# Altium PCB UltraZohm_Digital_Sensor_Board_v1.01.PcbDoc (part 3 of 4) (continued)
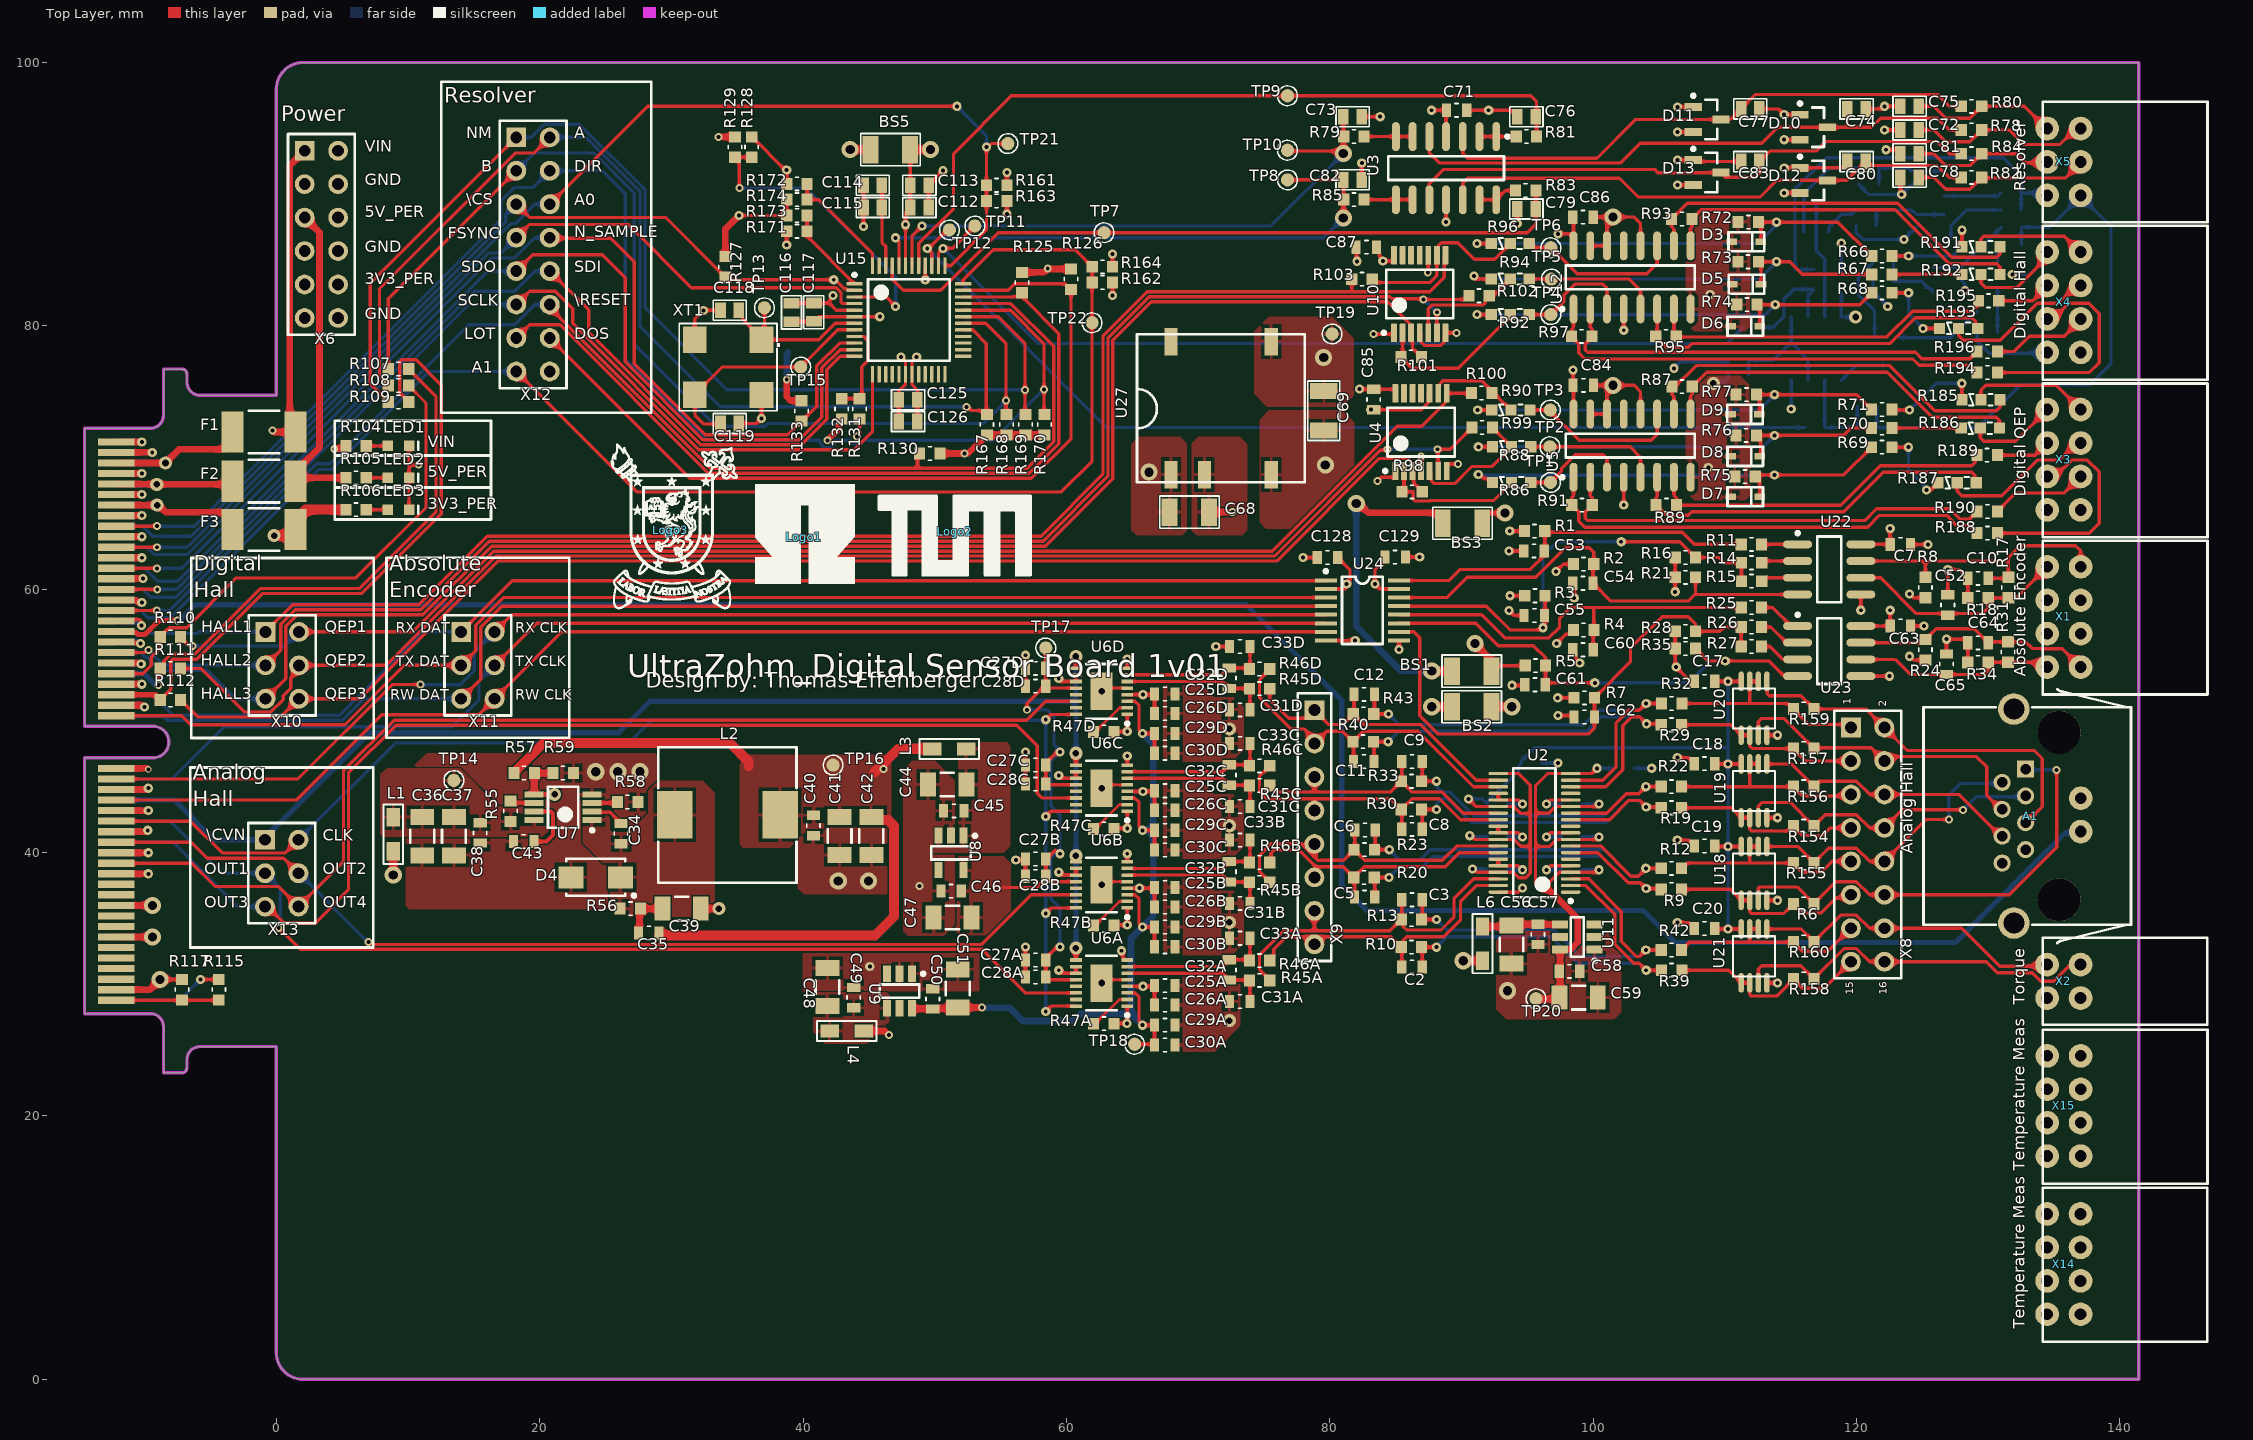
[diagram p0: Top Layer view]
## Nets (pads, with @x,y where several pads share a name; then routed paths per layer and width w, separated by ;. In a path a pad name is that pad's centre, name@x,y a point inside that pad or via, vN(x,y) a via of type N, cw(c..) or ccw(c..) an arc to the next point about the centre after c; other vN are vias at no path point) (continued)
N_EXC: R48.2 TP12.1 U15.39 | length 76
  Top Layer w0.25: U15.39@49.78,84.571 49.78,85.538 v1(49.43,85.888) 49.552,85.888 50.95,87.286 TP12.1@51.117,87.286
  Bottom Layer w0.25: v1(49.43,85.888) 63.03,72.288 116.059,72.288 R48.2@116.059,72.278
NetC34_1: C34.1 U7.2 | length 2.6
  Top Layer w0.25: U7.2@23.98,43.121 23.98,43.058 25.343,43.058 C34.1@26.18,42.221
NetC34_2: C34.2 D4.1 L2.1 R56.1 U7.1
NetC35_2: C35.2 C39.2 R56.2 | length 3.8
  Top Layer w0.5: C35.2@27.513,33.705 27.584,33.776 27.584,35.675 R56.2@27.655,35.746 C39.2@29.33,35.746
NetC39_1: C39.1 R57.1 R59.2 U7.5 | length 5.8
  Top Layer w0.3: U7.5@19.58,44.421 v4(21.13,44.421)
  Top Layer w0.5: U7.5@19.585,44.641 19.585,46.041 R59.2@21.035,46.041 ; C39.1@32.23,35.746 v4(33.61,35.746)
NetC43_1: C43.1 U7.7 | length 4.8
  Top Layer w0.3: U7.7@19.58,43.121 20.866,43.121 21.01,42.978 21.01,41.341 20.51,40.841 C43.1@19.585,40.841
NetC66_1: C66.1 R36.1 R48.1 U1.2 | length 7.6
  Bottom Layer w0.25: U1.2@117.579,75.878 117.579,72.308 R48.1@117.609,72.278 R36.1@119.98,72.278 120.055,72.353 C66.1@120.055,73.878
NetC66_2: C66.2 R36.2 R49.2 R50.1 X5.5 | length 41.8
  Bottom Layer w0.25: C66.2@121.53,73.803 R36.2@121.53,72.278 129.222,72.278 132.473,75.529 137.701,75.529 139.33,77.159 139.33,87.541 137.025,89.846 134.678,87.5 R49.2@132.532,87.5 R50.1@132.532,86.142
NetC70_1: C70.1 R53.1 R61.1 U1.6 | length 8
  Bottom Layer w0.25: R61.1@112.922,79.891 113.687,79.891 114.487,80.691 114.487,82.035 C70.1@115.23,82.778 R53.1@116.691,82.778 ; U1.6@116.309,80.678 116.309,82.29 R53.1@116.744,82.725
NetC70_2: C70.2 R53.2 R62.2 R63.1 X5.6 | length 30.9
  Bottom Layer w0.25: R53.2@116.744,84.275 115.327,84.275 115.327,90.375 117.728,92.776 131.132,92.776 132.509,91.399 R63.1@132.509,90.1 ; R62.2@132.509,88.8 R63.1@132.509,90.1 ; X5.6@134.485,89.846 134.231,90.1 R63.1@132.509,90.1
NetC72_2: C72.2 R78.1 X5.1 | length 14
  Top Layer w0.25: C72.2@124.73,94.878 125.87,94.878 126.77,93.978 128.605,93.978 R78.1@129.505,94.878 131.584,94.878 132.688,93.774 135.443,93.774 136.595,94.926 X5.1@137.025,94.926
NetC74_2: C74.2 D10.3 R78.2 U3.5 | length 45.1
  Top Layer w0.25: U3.5@87.56,94.378 87.56,93.166 88.363,92.363 102.047,92.363 103.564,93.88 112.814,93.88 114.022,95.088 D10.3@117.81,95.088 ; D10.3@117.82,95.078 121.13,95.078 121.83,95.778 126.13,95.778 127.03,94.878 R78.2@127.955,94.878 ; 119.305,95.103 C74.2@119.305,96.478
NetC75_2: C75.2 R80.1 X5.2 | length 11.2
  Top Layer w0.25: C75.2@124.73,96.678 125.87,96.678 126.77,95.778 128.605,95.778 R80.1@129.505,96.678 132.733,96.678 X5.2@134.485,94.926
NetC77_2: C77.2 D11.3 R80.2 U3.3 | length 41.6
  Top Layer w0.25: U3.3@90.1,94.378 90.1,93.12 90.48,92.74 100.292,92.74 103.23,95.678 D11.3@109.705,95.678 110.43,95.678 C77.2@111.23,96.478 112.33,97.578 126.13,97.578 127.03,96.678 R80.2@127.955,96.678
NetC78_2: C78.2 R82.1 X5.3 | length 13.5
  Top Layer w0.25: C78.2@124.73,91.278 125.87,91.278 126.77,90.378 128.605,90.378 R82.1@129.505,91.278 129.549,91.234 135.873,91.234 X5.3@137.025,92.386
NetC80_2: C80.2 D12.3 R82.2 U3.12 | length 41.2
  Top Layer w0.25: U3.12@90.1,89.578 90.1,90.836 90.48,91.216 102.002,91.216 103.43,89.788 112.691,89.788 113.953,91.05 D12.3@117.81,91.05 119.277,91.05 120.405,92.178 126.13,92.178 127.03,91.278 R82.2@127.955,91.278
NetC81_2: C81.2 R84.1 X5.4 | length 10.8
  Top Layer w0.25: C81.2@124.73,93.078 125.87,93.078 126.77,92.178 128.605,92.178 R84.1@129.505,93.078 132.147,93.078 132.838,92.386 X5.4@134.485,92.386
NetC83_2: C83.2 D13.3 R84.2 U3.10 | length 44.3
  Top Layer w0.25: U3.10@87.56,89.578 87.56,90.79 88.648,91.878 104.673,91.878 104.912,91.64 D13.3@109.705,91.64 110.067,91.278 112.309,91.278 112.63,91.6 C83.2@112.63,92.478 113.43,93.278 116.93,93.278 117.659,94.006 126.102,94.006 127.03,93.078 R84.2@127.955,93.078
NetC114_1: C114.1 C115.1 U15.46 | length 6.2
  Top Layer w0.25: C114.1@45.99,90.688 C115.1@45.99,88.988 45.99,86.328 46.28,86.038 U15.46@46.28,84.571
NetD1_1: D1.1 R41.1 | length 6.7
  Bottom Layer w0.25: R41.1@121.259,84.8 120.13,83.671 120.13,82.378 121.374,81.134 D1.1@121.374,79.111
NetD1_2: D1.2 R51.1 | length 6.7
  Bottom Layer w0.25: D1.2@123.274,79.111 127.17,79.111 R51.1@129.159,81.1
NetD1_3: D1.3 U1.1 | length 3.9
  Bottom Layer w0.25: U1.1@118.849,75.878 119.982,77.011 D1.3@122.324,77.011
NetD2_1: D2.1 R60.1 | length 3
  Bottom Layer w0.25: D2.1@117.894,87.143 117.894,87.493 118.876,88.475 119.659,88.475 119.959,88.775 R60.1@119.959,88.8
NetD2_2: D2.2 R64.1 | length 7.9
  Bottom Layer w0.25: D2.2@115.994,87.143 115.994,90.042 117.93,91.978 R64.1@120.155,91.978
NetD2_3: D2.3 U1.7 | length 8.8
  Bottom Layer w0.25: D2.3@116.944,89.243 116.944,85.713 117.579,85.078 U1.7@117.579,80.678
NetLED1_2: LED1.2 R104.1 | length 1.6
  Top Layer w0.25: R104.1@6.834,70.884 LED1.2@8.476,70.884
NetLED2_2: LED2.2 R105.1 | length 1.6
  Top Layer w0.25: R105.1@6.834,68.463 LED2.2@8.476,68.463
NetLED3_2: LED3.2 R106.1 | length 1.6
  Top Layer w0.25: R106.1@6.834,66.043 LED3.2@8.476,66.043
NetQ1_1: Q1.1 R38.1 R41.2 | length 4.8
  Bottom Layer w0.25: R41.2@122.809,84.8 R38.1@122.809,83.4 124.954,83.4 Q1.1@125.814,82.54
NetQ1_2: Q1.2 R49.1 | length 6.4
  Bottom Layer w0.25: Q1.2@125.814,84.44 127.922,84.44 R49.1@130.982,87.5
NetQ2_1: Q2.1 R51.2 R52.1 | length 3.4
  Bottom Layer w0.25: R52.1@130.714,79.505 Q2.1@130.714,82.94
NetQ2_2: Q2.2 R50.2 | length 1.4
  Bottom Layer w0.25: Q2.2@130.714,84.84 130.714,85.874 R50.2@130.982,86.142
NetQ3_1: Q3.1 R54.1 R60.2 | length 6.5
  Bottom Layer w0.25: R54.1@121.509,87.6 R60.2@121.509,88.8 124.208,88.8 124.548,88.46 Q3.1@126.654,88.46
NetQ3_2: Q3.2 R62.1 | length 5.8
  Bottom Layer w0.25: Q3.2@126.654,86.56 127.004,86.56 127.179,86.735 127.179,87.635 128.344,88.8 R62.1@130.959,88.8
NetQ4_1: Q4.1 R64.2 R65.1 | length 6.2
  Bottom Layer w0.25: R65.1@121.709,90.8 121.709,92 123.908,92 124.148,91.76 Q4.1@126.654,91.76
NetQ4_2: Q4.2 R63.2 | length 4.4
  Bottom Layer w0.25: Q4.2@126.654,89.86 130.719,89.86 R63.2@130.959,90.1
NetR11_1: R11.1 U22.1 | length 2.7
  Top Layer w0.25: R11.1@112.792,63.411 U22.1@115.53,63.411
NetR14_2: R14.2 U22.2 | length 2.8
  Top Layer w0.25: R14.2@112.805,62.011 112.935,62.141 U22.2@115.53,62.141
NetR15_2: R15.2 U22.3 | length 2.8
  Top Layer w0.25: R15.2@112.805,60.611 113.065,60.871 U22.3@115.53,60.871
NetR25_1: R25.1 U23.1 | length 3.3
  Top Layer w0.25: R25.1@112.792,58.613 113.631,58.613 115.033,57.211 U23.1@115.53,57.211
NetR26_2: R26.2 U23.2 | length 3.2
  Top Layer w0.25: R26.2@112.792,57.13 113.507,57.13 114.695,55.941 U23.2@115.53,55.941
NetR27_2: R27.2 U23.3 | length 3.1
  Top Layer w0.25: R27.2@112.792,55.646 113.44,55.646 114.415,54.671 U23.3@115.53,54.671
NetR47A_2: R47A.2 U6A.2 | length 3.2
  Top Layer w0.2: R47A.2@62.179,27.006 64.019,28.846 U6A.2@64.619,28.846
NetR47B_2: R47B.2 U6B.2 | length 3.2
  Top Layer w0.2: R47B.2@62.179,34.456 64.019,36.296 U6B.2@64.619,36.296
NetR47C_2: R47C.2 U6C.2 | length 3.2
  Top Layer w0.2: R47C.2@62.179,41.806 64.019,43.646 U6C.2@64.619,43.646
NetR47D_2: R47D.2 U6D.2 | length 3.2
  Top Layer w0.2: R47D.2@62.179,49.156 64.019,50.996 U6D.2@64.619,50.996
NetR55_2: R55.2 U7.6 | length 1.7
  Top Layer w0.3: R55.2@17.93,43.771 U7.6@19.58,43.771
NetR58_2: R58.2 U7.3 | length 1.8
  Top Layer w0.3: U7.3@23.98,43.771 R58.2@25.83,43.771
NetR79_1: R79.1 U3.6 U3.7 | length 3.7
  Top Layer w0.25: R79.1@82.605,94.378 U3.7@85.02,94.378 U3.6@86.29,94.378
NetR81_1: R81.1 U3.1 U3.2 | length 2.8
  Top Layer w0.25: U3.2@91.37,94.378 U3.1@92.64,94.378 R81.1@94.145,94.378
NetR83_1: R83.1 U3.13 U3.14 | length 3
  Top Layer w0.25: U3.13@91.37,89.578 U3.14@92.64,89.578 93.34,90.278 R83.1@94.105,90.278
NetR85_1: R85.1 U3.8 U3.9 | length 3.7
  Top Layer w0.25: R85.1@82.605,89.588 U3.9@86.28,89.588
NetR86_2: R86.2 R98.1 U4.2 | length 11.2
  Top Layer w0.25: R98.1@85.475,67.402 86.348,67.402 86.348,66.848 86.496,66.7 87.555,66.7 87.595,66.741 92.435,66.741 R86.2@93.805,68.111 ; R98.1@85.475,67.402 85.635,67.562 U4.2@85.635,68.979
NetR88_2: R88.2 R99.1 U4.5 | length 10.2
  Top Layer w0.25: U4.5@87.585,68.979 87.685,68.879 87.685,68.277 87.935,68.027 89.474,68.027 90.762,69.315 92.301,69.315 R88.2@93.805,70.819 92.661,71.963 92.648,71.963 92.348,72.263 R99.1@92.348,72.288
NetR90_2: R90.2 R100.1 U4.9 | length 7.2
  Top Layer w0.25: U4.9@88.235,74.879 88.335,74.979 88.335,75.582 88.585,75.831 89.328,75.831 89.33,75.829 91.536,75.829 R90.2@93.754,73.611
NetR92_2: R92.2 R101.1 U10.2 | length 12
  Top Layer w0.25: R101.1@85.41,77.638 85.41,77.613 86.232,76.791 89.757,76.791 93.405,80.439 93.405,80.556 R92.2@93.705,80.856 ; R101.1@85.41,77.892 85.41,77.917 85.53,78.037 U10.2@85.53,79.47
NetR94_2: R94.2 R102.1 U10.5 | length 9.1
  Top Layer w0.25: U10.5@87.48,79.47 87.48,81.293 87.775,81.588 91.67,81.588 91.816,81.734 91.816,81.965 91.968,82.116 92.265,82.116 R94.2@93.705,83.556
NetR96_2: R96.2 R103.1 U10.9 | length 14.1
  Top Layer w0.25: R103.1@83.22,83.546 83.479,83.288 87.597,83.288 88.13,83.821 U10.9@88.13,85.37 88.23,85.47 88.23,86.073 88.479,86.322 89.628,86.322 89.63,86.32 89.73,86.32 90.986,85.064 92.513,85.064 R96.2@93.705,86.256
NetR115_1: R115.1 R117.2 X16.99 | length 7.8
  Top Layer w0.25: X16.99@-12.153,28.791 R115.1@-4.392,28.791
NetR115_2: R115.2 X16.100 | length 8.4
  Top Layer w0.25: v1(-5.761,30.363) R115.2@-4.37,30.363
  Bottom Layer w0.25: X16.100@-12.153,28.791 -7.333,28.791 v1(-5.761,30.363)
NetR128_1: R128.1 R129.2 U15.3 | length 24
  Top Layer w0.25: R129.2@34.83,92.805 R129.2@34.855,92.805 ; v2(35.18,90.465) 35.155,90.491 35.155,92.505 R129.2@34.855,92.805 ; R128.1@36.099,92.805 R129.2@34.855,92.805 ; U15.3@43.905,82.196 46.312,82.196 v1(47.03,81.478)
  Bottom Layer w0.25: v2(35.18,90.465) 40.257,90.465 47.03,83.692 v1(47.03,81.478)
NetR131_1: R131.1 R132.2 U15.9 | length 7.2
  Top Layer w0.25: R132.2@42.935,74.471 R131.1@44.281,74.471 44.466,74.656 44.466,76.882 44.93,77.346 44.93,78.888 44.622,79.196 U15.9@43.905,79.196
NetR171_1: R171.1 R173.2 U15.1 | length 6.7
  Top Layer w0.25: R173.2@40.305,88.388 R171.1@40.305,87.188 40.305,86.796 U15.1@43.905,83.196
NetR172_1: R172.1 R174.2 U15.48 | length 8.8
  Top Layer w0.25: R172.1@40.305,90.788 R174.2@40.305,89.588 41.184,89.588 45.28,85.492 U15.48@45.28,84.571
NetR185_2: R185.2 X3.1 | length 9.2
  Top Layer w0.25: R185.2@129.45,74.386 129.45,75.106 129.83,75.486 135.185,75.486 X3.1@137.025,73.647
NetR186_2: R186.2 X3.2 | length 6.9
  Top Layer w0.25: R186.2@129.4,72.239 129.4,71.501 129.665,71.236 132.075,71.236 X3.2@134.485,73.647
NetR187_2: R187.2 X3.3 | length 11.8
  Top Layer w0.25: R187.2@127.65,68.086 127.65,67.454 127.993,67.111 131.023,67.111 133.723,69.811 135.38,69.811 136.675,71.107 X3.3@137.025,71.107
NetR188_1: R188.1 X3.6 | length 16.8
  Top Layer w0.25: R188.1@130.705,64.263 137.682,64.263 138.43,65.011 138.43,68.911 137.53,69.811 136.33,69.811 135.085,68.567 X3.6@134.485,68.567
NetR189_2: R189.2 X3.4 | length 4.2
  Top Layer w0.25: R189.2@130.7,70.186 133.565,70.186 X3.4@134.485,71.107
NetR190_1: R190.1 X3.5 | length 7.4
  Top Layer w0.25: R190.1@130.705,65.911 132.105,67.311 135.77,67.311 X3.5@137.025,68.567
NetR191_2: R191.2 X4.1 | length 8.8
  Top Layer w0.25: R191.2@129.456,86.011 129.456,86.603 129.655,86.803 135.768,86.803 X4.1@137.025,85.547
NetR192_2: R192.2 X4.2 | length 7.1
  Top Layer w0.25: R192.2@129.456,83.911 129.456,83.256 129.801,82.911 132.179,82.911 134.485,85.218 X4.2@134.485,85.547
NetR193_2: R193.2 X4.3 | length 11.7
  Top Layer w0.25: R193.2@127.756,79.811 127.756,79.265 128.109,78.911 130.93,78.911 133.73,81.711 135.33,81.711 136.626,83.007 X4.3@137.025,83.007
NetR194_1: R194.1 X4.6 | length 16.5
  Top Layer w0.25: R194.1@130.705,76.461 137.68,76.461 138.43,77.211 138.43,80.911 137.63,81.711 136.13,81.711 134.886,80.467 X4.6@134.485,80.467
NetR195_2: R195.2 X4.4 | length 4.1
  Top Layer w0.25: R195.2@130.805,81.911 133.39,81.911 X4.4@134.485,83.007
NetR196_1: R196.1 X4.5 | length 7.3
  Top Layer w0.25: R196.1@130.705,78.061 131.98,78.061 133.13,79.211 135.77,79.211 X4.5@137.025,80.467
NetX16_96: X16.96
NM: R107.1 R169.2 U15.31 X12.1 | length 88.9
  Top Layer w0.25: R107.1@8.506,74.212 8.506,74.237 7.137,75.606 7.137,83.233 X12.1@18.223,94.319 ; U15.31@52.155,80.696 54.821,80.696 56.859,78.659 v2(56.859,75.146) 56.859,73.31 R169.2@56.898,73.271
  Bottom Layer w0.25: X12.1@18.223,94.319 19.348,94.319 19.761,94.732 19.761,94.734 20.348,95.321 23.017,95.321 28,90.338 28,81.361 34.215,75.146 v2(56.859,75.146)
OVCC: C27A.1 C27B.1 C27C.1 C27D.1 C28A.1 C28B.1 C28C.1 C28D.1 C46.1 C47.2 TP17.1 U6A.12 U6B.12 U6C.12 U6D.12 U8.5 | length 48.5
  Top Layer w0.25: 55,37.346 57.73,37.346 58.434,38.05 C28B.1@58.434,38.15 ; v2(56.999,50.846) 56.999,51.315 58.434,52.75 C28D.1@58.434,52.85 ; TP17.1@58.434,55.544 C27D.1@58.434,53.996 C28D.1@58.434,52.85 ; v1(59.519,32.836) 59.433,32.75 59.188,32.75 58.434,31.996 C27A.1@58.434,31.846 58.434,30.7 58.787,30.346 U6A.12@60.719,30.346 ; v1(59.519,39.915) 59.428,39.915 59.165,40.178 58.434,39.446 C28B.1@58.434,38.2 C28B.1@58.434,38.15 ; v1(59.519,47.636) 59.433,47.55 59.188,47.55 58.434,46.796 C27C.1@58.434,46.646 58.434,45.5 58.787,45.146 U6C.12@60.719,45.146 ; U6B.12@60.719,37.796 58.787,37.796 C28B.1@58.434,38.15 ; U6D.12@60.719,52.496 58.787,52.496 C28D.1@58.434,52.85
  Bottom Layer w0.25: v2(56.999,50.846) 58.528,50.846 59.056,50.318 59.056,48.199 59.519,47.736 v1(59.519,47.636) 58.807,46.925 58.807,43.553 59.519,42.842 59.519,40.286 v1@59.333,40.101 ; v1(59.519,32.836) 59.519,35.77 58.807,36.481 58.807,39.575 v1@59.333,40.101 ; v1(59.519,39.915) v1@59.333,40.101
QEP1: R100.2 R110.1 U4.8 X10.2 | length 106.6
  Top Layer w0.25: R110.1@-7.273,56.377 -7.273,56.352 -6.685,55.764 -6.446,55.764 v2(-6.379,55.697) ; X10.2@1.715,56.763 10.365,56.763 16.498,62.896 75.646,62.896 85.122,72.372 86.98,72.372 88.785,74.177 88.785,74.779 U4.8@88.885,74.879 90.735,74.879 R100.2@90.761,74.905
  Bottom Layer w0.25: v2(-6.379,55.697) 0.649,55.697 X10.2@1.715,56.763
QEP1_EXT: D9.1 R71.2 R77.1 R90.3 | length 34.9
  Top Layer w0.25: v1(91.23,73.611) R90.3@92.304,73.611 ; D9.1@112.63,73.278 112.63,74.553 R77.1@112.405,74.778 v1(113.78,74.778) 120.018,74.778 R71.2@121.15,73.647
  Bottom Layer w0.25: v1(91.23,73.611) 112.613,73.611 v1(113.78,74.778)
QEP1_N: R87.2 R186.1 U5.9 | length 28
  Top Layer w0.25: U5.9@107.403,73.307 107.403,74.687 107.528,74.811 R87.2@107.528,75.386 108.63,76.488 122.323,76.488 125.751,73.061 130.625,73.061 130.85,72.835 R186.1@130.85,72.239
QEP1_P: R87.1 R185.1 U5.10 | length 29.8
  Top Layer w0.25: U5.10@106.133,73.307 106.133,74.656 105.978,74.811 R87.1@105.978,75.386 106.214,75.386 107.818,76.99 122.534,76.99 125.959,73.565 130.628,73.565 130.9,73.836 R185.1@130.9,74.386
QEP1_SINGLEENDED: R90.1 TP3.1 U5.11 | length 12.4
  Top Layer w0.25: R90.1@95.204,73.611 TP3.1@96.748,73.611 96.748,73.491 98.928,71.311 104.403,71.311 104.863,71.772 U5.11@104.863,73.307
QEP2: R99.2 R111.1 U4.6 X10.4 | length 111.1
  Top Layer w0.25: R111.1@-7.273,53.986 -5.74,53.986 -2.435,50.681 -0.41,50.681 0.533,51.624 0.533,51.918 1.09,52.475 1.09,53.26 1.715,53.885 X10.4@1.715,54.223 8.358,54.223 16.654,62.519 75.803,62.519 83.85,70.566 84.318,70.566 v2(84.385,70.633) ; U4.6@88.335,69.079 U4.6@88.235,68.979 88.211,69.004 88.211,70.609 v2(88.186,70.633) 89.143,70.633 90.473,71.963 90.498,71.963 90.798,72.263 R99.2@90.798,72.288
  Bottom Layer w0.25: v2(84.385,70.633) v2(88.186,70.633)
QEP2_EXT: D8.1 R70.2 R76.1 R88.3 | length 34.6
  Top Layer w0.25: v1(91.281,70.819) R88.3@92.355,70.819 ; D8.1@112.725,70.086 112.725,71.361 R76.1@112.4,71.686 v1(113.774,71.686) 119.022,71.686 119.574,72.239 R70.2@121.15,72.239
  Bottom Layer w0.25: v1(91.281,70.819) 112.907,70.819 v1(113.774,71.686)
QEP2_N: R89.2 R189.1 U5.7 | length 26.8
  Top Layer w0.25: U5.7@106.133,68.507 106.133,67.156 106.328,66.961 R89.2@106.328,66.386 106.878,66.386 118.814,66.386 121.816,69.388 128.755,69.388 129.025,69.658 129.025,70.061 R189.1@129.15,70.186
QEP2_P: R89.1 R187.1 U5.6 | length 28.8
  Top Layer w0.25: U5.6@104.863,68.507 104.863,67.047 104.778,66.961 R89.1@104.778,66.386 105.553,65.611 107.23,65.611 107.501,65.882 119.023,65.882 122.025,68.884 128.755,68.884 128.975,68.665 128.975,68.211 R187.1@129.1,68.086
QEP2_SINGLEENDED: R88.1 TP2.1 U5.5 | length 10.2
  Top Layer w0.25: R88.1@95.255,70.819 96.508,70.819 102.806,70.819 103.593,70.032 U5.5@103.593,68.507
QEP3: R98.2 R112.1 U4.3 X10.6 | length 104.9
  Top Layer w0.25: R112.1@-7.273,51.595 -7.273,51.57 -6.973,51.27 -6.948,51.27 -5.982,50.304 0.336,50.304 X10.6@1.715,51.683 6.351,51.683 16.81,62.142 75.959,62.142 83.748,69.931 85.936,69.931 86.185,69.682 86.185,69.079 U4.3@86.285,68.979 86.385,68.879 86.385,68.067 87.025,67.427 R98.2@87.025,67.402
QEP3_EXT: D7.1 R69.2 R75.1 R86.3 | length 35.1
  Top Layer w0.25: v1(91.281,68.713) 91.403,68.713 91.705,68.411 92.055,68.411 R86.3@92.355,68.111 ; D7.1@112.654,67.127 112.654,68.43 112.405,68.678 v1(113.78,68.678) 119.041,68.678 R69.2@121.15,70.786
  Bottom Layer w0.25: v1(91.281,68.713) 91.341,68.653 113.755,68.653 v1(113.78,68.678)
QEP3_N: R91.2 R188.2 U5.1 | length 35
  Top Layer w0.25: U5.1@98.513,68.507 98.513,67.097 98.378,66.961 R91.2@98.378,66.386 98.901,65.863 98.901,65.178 99.368,64.71 120.842,64.71 121.739,65.607 126.85,65.607 127.622,64.835 128.583,64.835 R188.2@129.155,64.263
QEP3_P: R91.1 R190.2 U5.2 | length 34.1
  Top Layer w0.25: U5.2@99.783,68.507 99.783,67.106 99.928,66.961 R91.1@99.928,66.386 99.405,65.863 99.405,65.386 99.577,65.214 120.633,65.214 121.481,66.062 121.53,66.111 127.058,66.111 127.83,65.339 128.583,65.339 R190.2@129.155,65.911
QEP3_SINGLEENDED: R86.1 TP1.1 U5.3 | length 8.3
  Top Layer w0.25: R86.1@95.255,68.111 TP1.1@96.761,68.111 97.594,68.945 97.594,69.168 98.638,70.211 100.755,70.211 101.053,69.913 U5.3@101.053,68.507
QEP_CONN1: R71.1 R185.3 | length 7.3
  Top Layer w0.25: R71.1@122.775,73.611 v1(124.03,73.611) ; R185.3@128,74.386 v1(128,75.642)
  Bottom Layer w0.25: v1(124.03,73.611) 126.061,75.642 v1(128,75.642)
QEP_CONN2: R70.1 R186.3 | length 5.3
  Top Layer w0.25: R70.1@122.7,72.239 R186.3@127.95,72.239
QEP_CONN3: R69.1 R187.3 | length 6.2
  Top Layer w0.25: R69.1@122.7,70.786 v1(123.955,70.786) ; v1(125.316,67.531) 125.644,67.531 R187.3@126.2,68.086
  Bottom Layer w0.25: v1(123.955,70.786) 123.955,69.076 125.316,67.715 v1(125.316,67.531)
READ_WRITE_CLOCK: C62.1 R7.1 R26.1 R27.1 R28.2 U24.10 | length 40.7
  Top Layer w0.25: U24.10@85.255,56.766 86.371,56.766 86.83,56.306 86.83,50.406 88.23,49.006 99.616,49.006 100.105,49.495 C62.1@100.105,50.306 R7.1@100.105,51.756 102.83,54.482 102.83,55.506 105.23,57.906 107.23,57.906 107.778,57.358 R28.2@107.778,56.806 109.63,56.806 109.954,57.13 R26.1@111.242,57.13 R27.1@111.242,55.646
READ_WRITE_DATA: C55.1 R3.1 R14.1 R15.1 R16.2 U24.13 | length 37.3
  Top Layer w0.25: U24.13@85.255,58.716 91.88,58.716 93.69,56.906 96.018,56.906 v1(96.187,57.075) 96.355,57.243 R3.1@96.355,59.506 ; v1(102.13,63.606) 106.578,63.606 R16.2@107.778,62.406 109.563,62.406 109.958,62.011 R14.1@111.255,62.011 R15.1@111.255,60.611
  Bottom Layer w0.25: v1(96.187,57.075) 96.187,62.501 97.292,63.606 v1(102.13,63.606)
RS485_A_CLOCK: C65.1 R31.2 R34.2 U23.6 X1.8 | length 15.5
  Top Layer w0.25: U23.6@120.33,54.671 122.925,54.671 124.065,53.531 129.73,53.531 130.005,53.806 R34.2@130.005,54.431 130.03,54.456 R31.2@131.501,54.456 134.115,54.456 X1.8@134.485,54.086
RS485_A_DATA: C52.1 R17.2 R18.2 U22.6 X1.2 | length 17.1
  Top Layer w0.25: U22.6@120.33,60.871 121.84,60.871 124.555,58.156 126.63,58.156 129.564,58.156 130.005,58.598 R18.2@130.005,59.331 R17.2@131.505,59.331 ; R17.2@131.53,59.356 132.135,59.356 X1.2@134.485,61.706
RS485_B_CLOCK: C64.1 R24.1 R31.1 U23.7 X1.7 | length 18.3
  Top Layer w0.25: U23.7@120.33,55.941 124.99,55.941 126.055,57.006 128.93,57.006 C64.1@130.005,55.931 ; C64.1@130.08,56.006 R31.1@131.501,56.006 132.83,56.006 133.33,55.506 133.976,55.506 134.008,55.474 135.637,55.474 X1.7@137.025,54.086
RS485_B_DATA: C10.1 R8.1 R17.1 U22.7 X1.1 | length 22.7
  Top Layer w0.25: U22.7@120.33,62.141 125.23,62.141 ; R8.1@125.23,60.906 125.23,62.141 ; C10.1@130.005,60.831 131.455,60.831 R17.1@131.53,60.906 131.53,62.406 132.43,63.306 136.63,63.306 137.025,62.912 X1.1@137.025,61.706 ; 131.495,62.141 125.23,62.141
RX-S_CLOCK: C60.1 R4.1 R25.2 U24.12 | length 31.2
  Top Layer w0.25: U24.12@85.255,58.066 91.529,58.066 93.291,56.304 96.636,56.304 97.45,57.118 97.45,57.785 98.278,58.613 R25.2@111.242,58.613 ; C60.1@100.005,55.406 R4.1@100.005,56.849 ; R4.1@100.055,56.899 100.055,58.564
RX-S_DATA: C53.1 R1.1 R11.2 U24.16 | length 29
  Top Layer w0.25: U24.16@85.255,60.666 89.069,60.666 89.909,61.506 95.23,61.506 96.282,62.558 C53.1@96.282,62.914 ccw(c96.162,63.035) 96.332,63.035 R1.1@96.332,64.414 ccw(c96.528,64.61) 96.528,64.333 106.772,64.333 107.683,63.422 R11.2@111.231,63.422
SIN: C76.2 R81.2 TP9.1 U15.41 | length 58.5
  Top Layer w0.25: U15.41@48.78,84.571 48.78,86.263 51.43,88.913 51.43,93.088 55.82,97.478 TP9.1@76.789,97.478 95.253,97.478 95.705,97.026 95.705,95.878 R81.2@95.705,94.388
SIN_LO: C73.2 R79.2 TP10.1 U15.42 | length 45
  Top Layer w0.25: U15.42@48.28,84.571 48.28,86.838 v1(49.03,87.588) ; TP10.1@76.646,93.48 TP10.1@76.789,93.336 77.11,93.336 77.167,93.28 80.838,93.28 v3(81.03,93.088) 81.03,94.378 C73.2@81.03,95.888
  Bottom Layer w0.25: v1(49.03,87.588) 75.53,87.588 v3(81.03,93.088)
TX-S_CLOCK: C61.1 R5.1 R35.2 U23.4 U24.11 | length 37.1
  Top Layer w0.25: U24.11@85.255,57.416 91.099,57.416 92.809,55.706 95.465,55.706 96.39,54.782 R5.1@96.39,54.198 C61.1@96.39,52.778 ; C61.1@96.508,52.896 v1(100.13,52.896) ; R35.2@107.778,55.498 108.72,54.556 v1(110.03,54.556) 113.353,54.556 114.508,53.401 U23.4@115.53,53.401
  Bottom Layer w0.25: v1(100.13,52.896) 107.269,52.896 108.929,54.556 v1(110.03,54.556)
TX-S_DATA: C54.1 R2.1 R21.2 U22.4 U24.14 | length 36.4
  Top Layer w0.25: U24.14@85.255,59.366 88.89,59.366 90.43,60.906 95.644,60.906 97.894,63.156 99.706,63.156 100.048,62.815 R2.1@100.048,61.906 99.998,61.856 C54.1@99.998,60.456 101.348,59.106 107.223,59.106 107.718,59.601 U22.4@115.53,59.601 ; 107.778,59.661 R21.2@107.778,60.906
VCC: C17.1 C18.1 C19.1 C20.1 C21.1 C22.1 C23.1 C24.1 C25A.1 C25B.1 C25C.1 C25D.1 C26A.1 C26B.1 C26C.1 C26D.1 C35.1 C40.2 C41.2 C42.2 L2.2 L3.1 R57.2 TP16.1 U2.20 U2.25 U2.30 U2.35 U6A.4 U6B.4 U6C.4 U6D.4 U18.8 U19.8 U20.8 U21.8 | length 213.3
  Top Layer w0.25: U2.20@92.793,46 94.349,46 94.801,45.548
  Top Layer w0.254: U6A.4@64.619,29.846 66.644,29.846 66.694,29.796 C26A.1@66.694,28.421 ; U6B.4@64.619,37.296 v1(65.545,37.296) 66.644,37.296 66.694,37.246 C26B.1@66.694,35.871 ; U6C.4@64.619,44.646 66.644,44.646 66.694,44.596 C26C.1@66.694,43.221 ; U6D.4@64.619,51.996 66.644,51.996 66.694,51.946 C26D.1@66.694,50.571 ; v1(90.53,44.081) 91.111,43.5 U2.25@92.793,43.5 93.972,43.5 94.502,42.97 95.234,42.97 ; v1(90.63,41.283) 90.751,41.283 91.034,41 U2.30@92.793,41 93.972,41 94.502,40.47 95.234,40.47 ; v1(90.83,38.758) 90.951,38.758 91.209,38.5 93.944,38.5 94.352,38.092 94.881,38.092 95.234,38.446 95.234,40.47 ; 94.801,45.548 95.234,45.115 95.234,42.97 ; C17.1@109.233,53.008 v1(110.237,53.008) U20.8@111.241,53.008 ; C20.1@109.235,34.198 v1(110.239,34.198) U21.8@111.243,34.198 ; C19.1@109.235,40.468 v1(110.239,40.468) U18.8@111.243,40.468 ; C18.1@109.235,46.737 v1(110.239,46.737) U19.8@111.243,46.737 ; 95.234,40.47 95.234,42.97
  Top Layer w0.75: R57.2@18.043,46.041 18.043,46.066 18.624,46.647 18.624,46.657 20.287,48.32 34.449,48.32 35.873,46.896 35.873,46.58 ; C35.1@29.063,33.705 45.462,33.705 46.905,35.147 46.905,42.042 46.466,42.481 45.41,42.481 C42.2@45.18,42.711 ; 45.41,46.073 47.21,47.873 L3.1@49.796,47.873
  VCC w0.254: v2(46.117,46.344) 51.17,46.344 53.689,43.826 64.998,43.826 65.883,44.711 67.469,44.711 ; v1(65.545,37.296) 65.595,37.346 67.469,37.346 ; v1(65.819,29.846) 67.469,31.496 67.469,37.346 ; v1(65.819,51.996) 67.469,50.346 67.469,44.711 ; v1(90.53,44.081) 84.61,44.081 83.981,44.711 67.469,44.711 ; 67.469,37.346 67.469,44.711
  Bottom Layer w0.254: v1(90.53,44.081) 91.57,44.081 C24.1@91.955,43.696 91.955,43.846 94.332,46.223 94.332,46.573 C21.1@94.555,46.796 94.555,46.946 95.58,47.971 110.225,47.971 110.238,47.958 ; v1@90.717,41.196 C23.1@91.955,41.196 ; v1(90.83,38.758) 91.893,38.758 C22.1@91.955,38.696 ; v1(110.237,53.008) 110.238,53.007 110.238,47.958 ; v1(110.239,34.198) v1(110.239,40.468) v1(110.239,46.737) v1(110.239,46.737) 110.238,47.958
  other v1: 65.819,44.646
VCC_2.5V: C44.2 C45.1 L3.2 U8.1 U8.3
VCOM: C13.1 C14.1 C15.1 C16.1 C58.1 C59.2 TP20.1 U2.4 U2.9 U2.14 U2.19 U11.6 | length 45.9
  Top Layer w0.25: 96.13,37.208 95.63,37.708 95.63,40.471 ; 96.622,37.208 96.622,37.7 97.422,38.5 U2.4@98.293,38.5 100.249,38.5 v1(100.445,38.696) ; v1(100.286,46.4) 99.886,46 U2.19@98.293,46 96.534,46 95.63,45.096 95.63,43 ; v1(100.445,41.196) 100.249,41 U2.9@98.293,41 97.234,41 96.705,40.471 95.63,40.471 ; v1(100.445,43.696) 100.249,43.5 U2.14@98.293,43.5 97.112,43.5 96.612,43 95.63,43 ; 95.63,40.471 95.63,43
  Top Layer w0.5: TP20.1@95.661,28.9 97.362,28.9 C59.2@97.45,28.988 97.49,29.028 U11.6@97.49,32.65 98.284,32.65 98.83,33.196 98.83,35 96.622,37.208 96.13,37.208
  Bottom Layer w0.25: C13.1@99.132,38.696 v1(100.445,38.696) ; C14.1@99.132,41.196 v1(100.445,41.196) ; C15.1@99.132,43.696 v1(100.445,43.696) ; v1@100.294,46.408 C16.1@101.574,46.408
VIN: F1.1 X16.5 X16.6 | length 14
  Top Layer w0.5: X16.5@-12.153,69.591 v4(-8.419,69.591) -7.393,70.617 -3.922,70.617 -3.332,71.207 F1.1@-3.332,71.937
  Bottom Layer w0.5: X16.6@-12.153,69.591 v4(-8.419,69.591)
VIN_5V: C36.2 C37.2 C38.1 L1.2 R55.1 TP14.1 U7.8
VIN_fused: C68.1 F1.2 L1.1 L4.1 L6.1 R104.2 U27.2 X6.1 X6.2 | length 226.3
  Top Layer w0.508: v2(-0.286,72.044) -0.179,71.937 1.089,71.937 F1.2@1.269,72.117 ; F1.2@1.448,71.937 F1.2@1.269,72.117 ; X6.1@2.152,93.303 1.021,92.172 1.021,72.364 F1.2@1.269,72.117 ; v2(4.397,70.643) 4.422,70.643 4.467,70.688 5.113,70.688 5.113,70.713 R104.2@5.284,70.884 ; v3(8.88,38.307) L1.1@8.88,40.096 ; L4.1@44.622,26.454 46.196,26.454 46.507,26.142 v2(46.532,26.142) ; C68.1@70.837,65.856 72.605,65.856 v2(72.625,65.876) ; v3(90.132,31.788) L6.1@91.6,31.788
  VCC w0.508: v2(-0.286,72.044) -0.179,71.937 3.102,71.937 4.181,70.858 8.944,66.096 8.88,66.032 8.88,65.753 ; X6.1@2.152,93.303 X6.2@4.692,93.303 ; v2(72.625,65.876) 9.004,65.876 8.88,65.753 ; v3(90.132,31.788) 73.2,31.788 67.555,26.142 v2(46.532,26.142) 21.045,26.142 v3(8.88,38.307) 8.88,65.753
VIN_VCOM: C56.2 C57.1 L6.2 U11.4 | length 5.7
  Top Layer w0.5: L6.2@91.6,34.388 C56.2@93.725,34.388 ; C56.2@93.9,34.563 C57.1@95.8,34.563 95.813,34.55 U11.4@97.49,34.55
VIN_VREF: C48.2 C49.1 L4.2 U9.4
VREF: C29A.1 C29B.1 C29C.1 C29D.1 C30A.1 C30B.1 C30C.1 C30D.1 C50.1 C51.2 TP18.1 U6A.3 U6B.3 U6C.3 U6D.3 U9.6 | length 66
  Top Layer w0.25: U6A.3@64.619,29.346 65.207,29.346 65.519,29.034 65.519,27.15 v1(65.772,26.896) C29A.1@66.694,26.896 C30A.1@66.694,25.396 ; U6B.3@64.619,36.796 65.207,36.796 65.519,36.484 65.519,34.6 v1(65.772,34.346) C29B.1@66.694,34.346 C30B.1@66.694,32.846 ; U6C.3@64.619,44.146 65.207,44.146 65.519,43.834 65.519,41.95 v1(65.772,41.696) C29C.1@66.694,41.696 C30C.1@66.694,40.196 ; U6D.3@64.619,51.496 65.207,51.496 65.519,51.184 65.519,49.3 v1(65.772,49.046) C29D.1@66.694,49.046 C30D.1@66.694,47.546 ; TP18.1@65.18,25.446 C30A.1@66.644,25.446
  Top Layer w0.508: U9.6@48.264,28.179 48.297,28.147 49.815,28.147 C50.1@49.847,28.114 49.91,28.177 51.685,28.177 C51.2@51.747,28.239 51.752,28.234 53.585,28.234 v2(53.59,28.229)
  Bottom Layer w0.508: v2(53.59,28.229) 55.665,28.229 56.683,27.211 60.519,27.211 61.07,27.762 64.906,27.762 ; v1(65.772,26.896) 64.906,27.762 ; v1(65.772,41.696) 66.584,41.696 ; v1(65.772,49.046) 66.584,48.235 66.584,41.696 ; 64.906,27.762 64.906,33.48 v1(65.772,34.346) 66.584,35.158 66.584,41.696
VREF_RESOLVER: R37.1 R44.2 U1.3 U1.5 | length 10.2
  Bottom Layer w0.25: R44.2@111.805,76.278 111.805,77.378 113.667,77.378 115.039,78.75 ; U1.5@115.039,80.678 115.039,78.75 ; U1.3@116.309,75.878 116.309,77.48 115.039,78.75